# KiCad board dilemma.kicad_pcb
title: dilemma; rev: 2; company: bastardkb
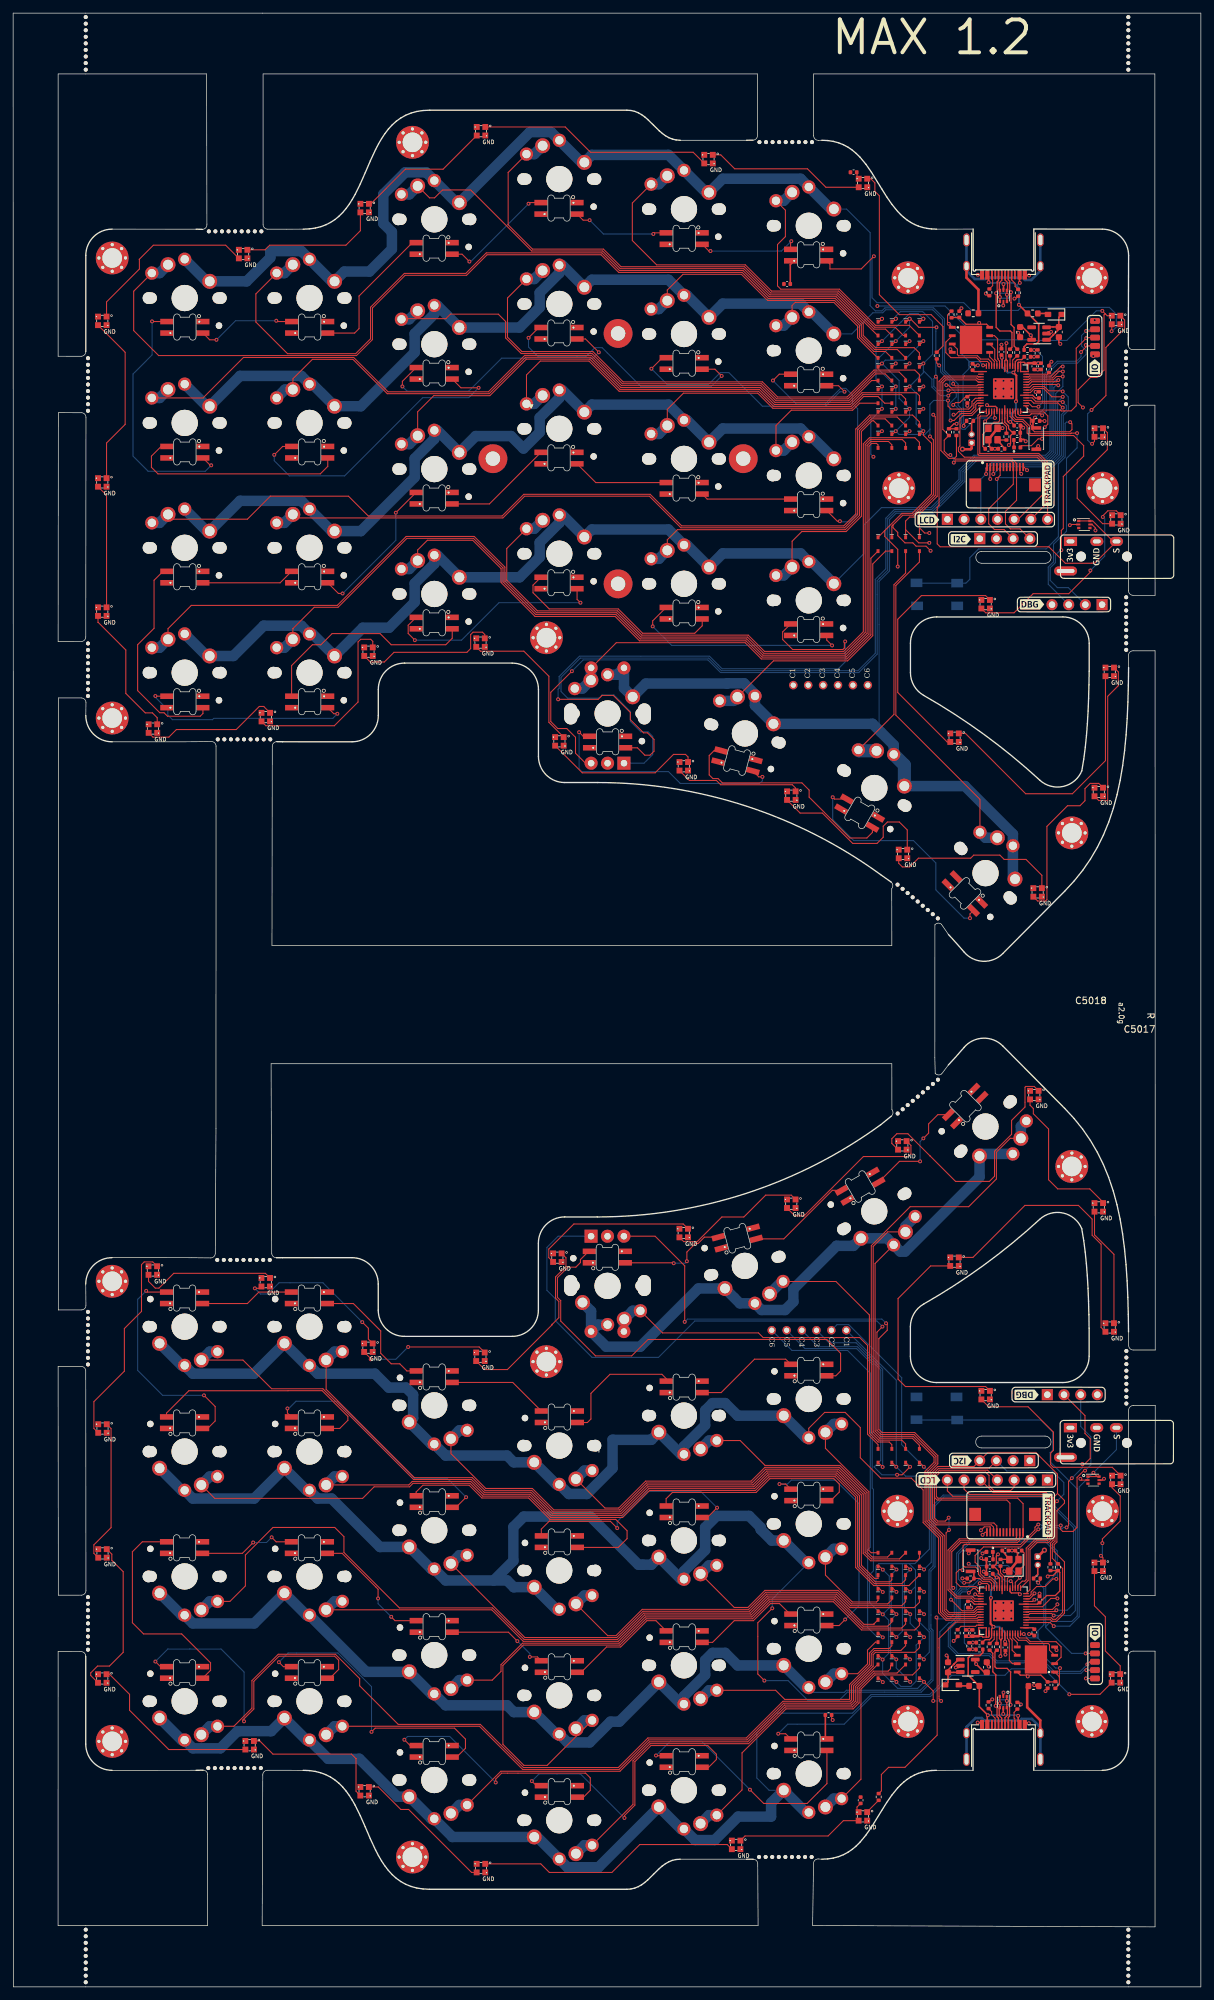
[diagram p0: board, top side]
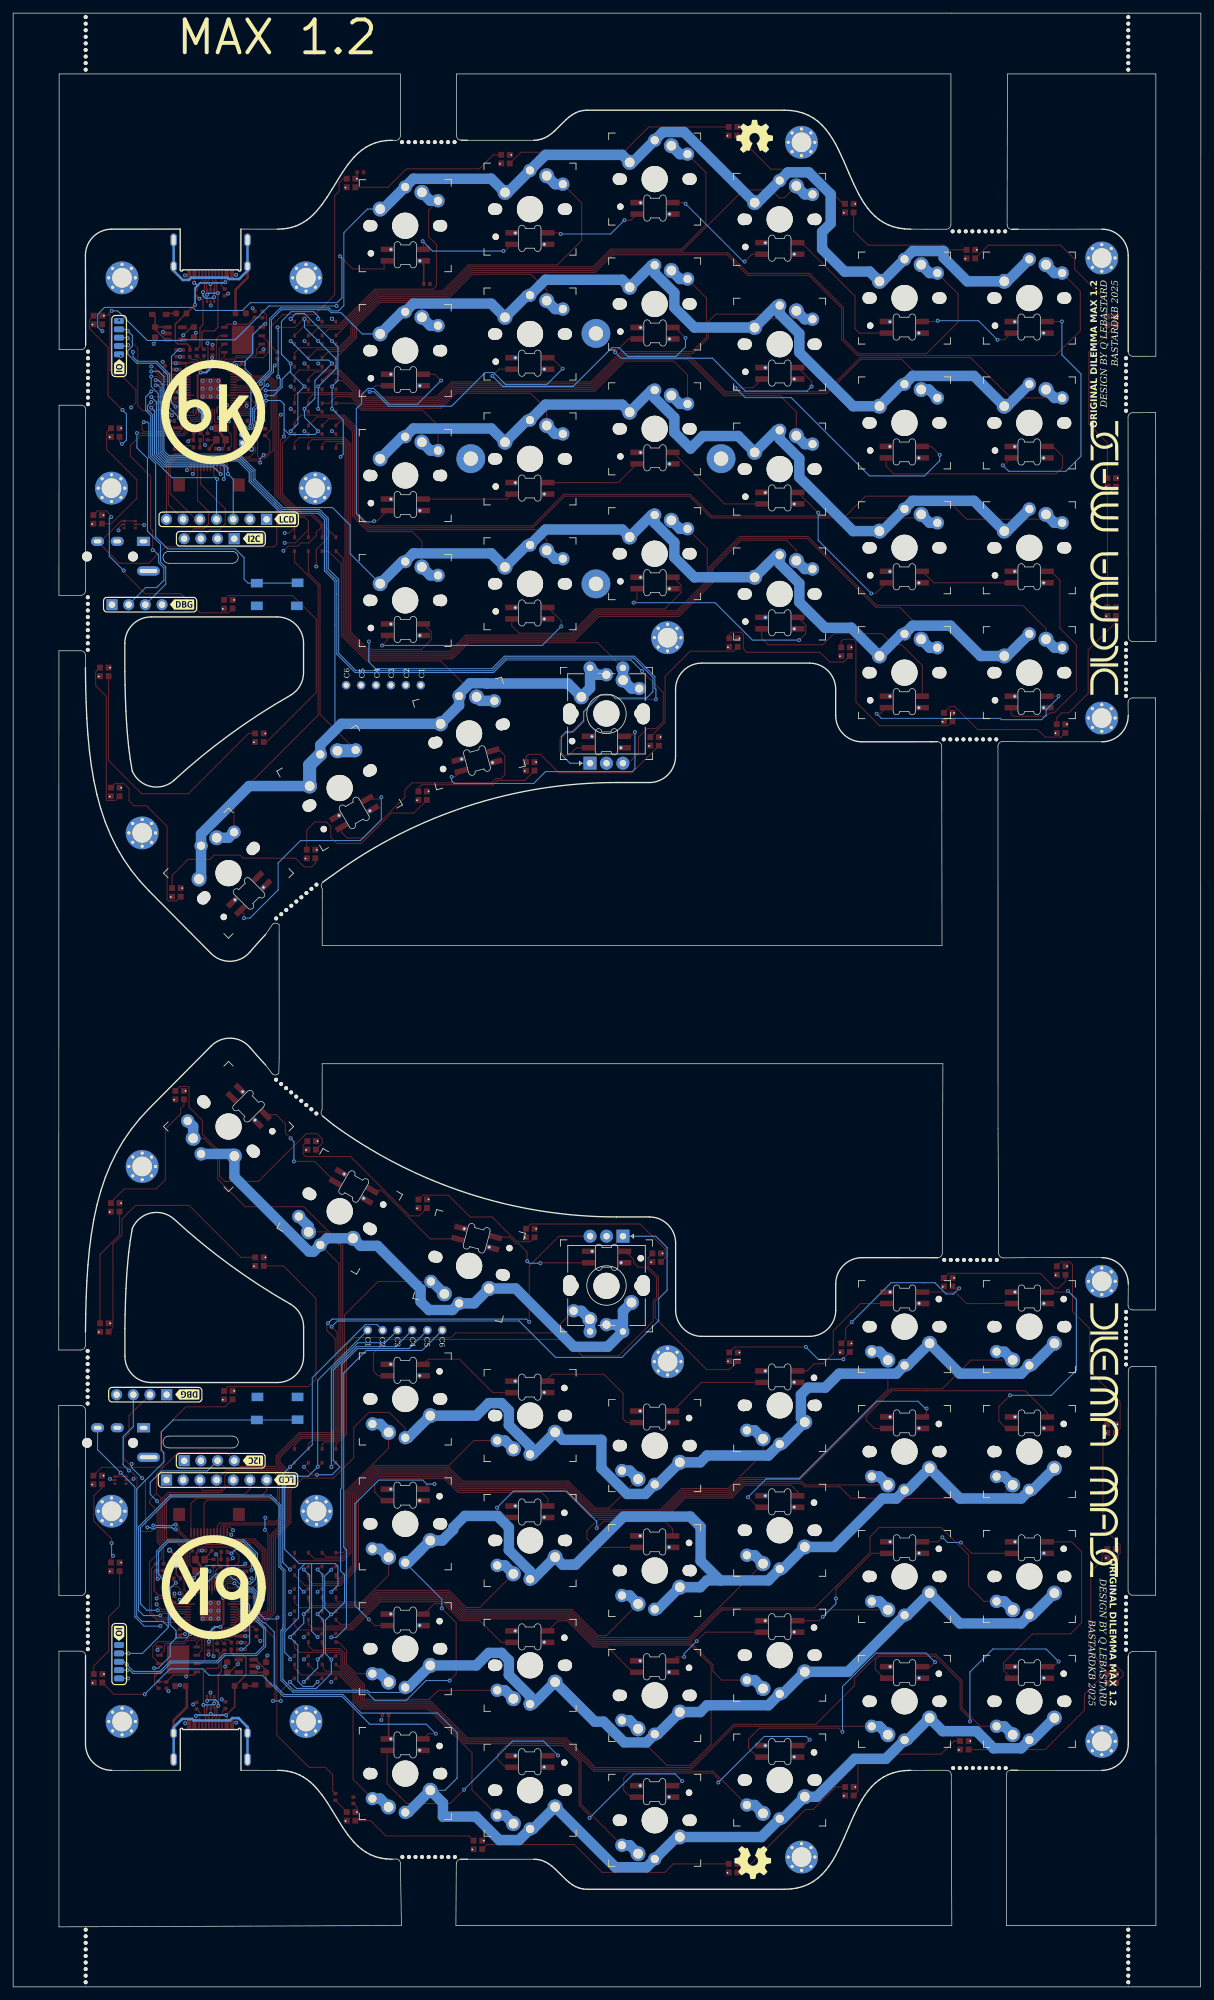
[diagram p1: board, bottom side, seen from below]

Outline 180.79 x 300.3 mm; copper layers: Top, In1.Cu, In2.Cu, Bottom. Coordinates in mm from the lower left corner of the outline.
Outline path: 11.05,50.31 arc(10.85,50.8) 10.35,51.01 6.85,51 6.84,9.33 29.61,9.33 29.61,32.27 arc(29.4,32.76) 28.91,32.97 27.85,32.95 15.05,32.95 arc(12.22,34.12) 11.05,36.95 11.05,50.31 ; 10.35,248.09 6.85,248.1 6.85,291.05 11.06,291.05 29.45,291.05 29.5,268.1 arc(29.29,267.61) 28.8,267.4 27.86,267.43 15.06,267.43 arc(12.23,266.26) 11.06,263.43 11.06,248.79 ; 10.36,204.69 6.85,204.7 6.88,239.51 10.39,239.51 arc(10.88,239.3) 11.09,238.81 11.06,205.39 arc(10.85,204.9) 10.36,204.69 ; 11.06,248.79 arc(10.85,248.3) 10.36,248.09 ; 11.08,103.69 11.05,106.95 arc(12.22,109.77) 15.05,110.95 27.22,110.94 30.07,110.91 arc(30.56,111.11) 30.77,111.61 30.87,130.56 30.88,188.78 arc(30.68,189.27) 30.18,189.48 27.23,189.44 15.06,189.43 arc(12.23,190.61) 11.06,193.43 11.09,195.41 arc(10.88,195.9) 10.39,196.11 6.88,196.11 6.88,102.99 10.38,102.99 arc(10.88,103.2) 11.08,103.69 ; 11.08,60.3 11.05,93.71 arc(10.85,94.2) 10.35,94.41 6.85,94.4 6.88,59.59 10.38,59.59 arc(10.88,59.8) 11.08,60.29 ; 169.74,249.79 169.79,263.43 arc(168.62,266.26) 165.79,267.43 155.36,267.45 155.36,261.25 arc(155.16,261.05) 154.96,261.25 146.52,261.25 arc(146.32,261.05) 146.12,261.25 146.12,267.45 140.55,267.43 139.8,267.46 139.09,267.55 138.42,267.7 137.78,267.9 137.18,268.16 136.61,268.46 136.08,268.82 135.57,269.22 135.09,269.66 134.63,270.14 133.77,271.19 132.98,272.34 132.22,273.55 130.65,276.09 129.82,277.29 128.92,278.37 128.35,278.94 127.74,279.45 127.09,279.9 126.4,280.27 125.66,280.57 124.86,280.78 124.01,280.92 123.1,280.96 122.55,280.95 arc(122.06,281.16) 121.85,281.65 121.85,291.05 173.79,291.05 173.79,249.09 170.44,249.09 arc(169.95,249.3) 169.74,249.79 ; 169.78,212.42 169.74,239.95 arc(169.95,240.44) 170.44,240.65 ; 169.78,202.58 169.79,200.73 169.75,198.07 169.69,195.48 169.57,192.96 169.41,190.51 169.19,188.13 168.89,185.81 168.51,183.57 168.03,181.39 167.46,179.28 166.77,177.23 165.96,175.26 165.04,173.38 163.99,171.6 162.81,169.89 161.51,168.27 160.07,166.72 150.64,157.22 arc(147.65,156.04) 144.76,157.44 arc(143.58,158.79) 142.37,160.11 141.29,161.68 arc(140.78,161.84) 140.31,161.6 140.3,141.37 140.35,139 arc(140.83,138.75) 141.34,138.91 142.36,140.27 arc(143.57,141.59) 144.75,142.94 arc(147.64,144.34) 150.63,143.16 160.06,133.66 161.5,132.11 162.8,130.49 163.98,128.78 165.03,127 165.95,125.12 166.76,123.15 167.45,121.1 168.02,118.99 168.5,116.81 168.88,114.57 169.18,112.25 169.4,109.87 169.56,107.42 169.68,104.9 169.74,102.31 169.78,99.65 169.8,97.59 arc(170.01,97.1) 170.5,96.89 ; 169.78,202.58 arc(169.98,203.07) 170.47,203.28 173.82,203.28 173.85,96.9 170.5,96.89 ; 170.45,240.65 173.8,240.65 173.82,211.72 170.47,211.72 arc(169.98,211.93) 169.78,212.42 ; 170.47,59.52 arc(169.97,59.73) 169.77,60.22 169.8,87.75 arc(170.01,88.24) 170.5,88.45 173.85,88.45 173.82,59.53 170.48,59.52 ; 0.05,0 0,300.3 180.79,300.3 180.79,0 0.05,0 ; 37.91,9.33 38,32.26 arc(38.2,32.75) 38.7,32.96 44.15,32.95 45.1,32.9 45.99,32.78 46.82,32.57 47.59,32.28 48.31,31.92 48.97,31.49 49.58,30.98 50.15,30.42 50.68,29.8 51.16,29.12 51.62,28.41 52.05,27.65 52.84,26.05 53.58,24.38 54.35,22.57 55.17,20.81 55.61,19.97 56.07,19.17 56.57,18.42 57.11,17.72 57.69,17.08 58.33,16.51 59.01,16.02 59.76,15.6 60.57,15.28 61.45,15.04 62.39,14.89 63.41,14.85 93.42,14.85 94.04,14.89 94.61,15.02 95.15,15.24 95.66,15.53 96.14,15.87 96.6,16.27 98.36,18 98.81,18.39 99.29,18.74 99.8,19.03 100.34,19.24 100.92,19.38 101.53,19.42 111.64,19.42 112.64,19.42 arc(113.13,19.21) 113.34,18.72 113.4,9.33 37.91,9.33 ; 38.05,268.13 38.05,291.05 113.3,291.05 113.3,281.68 arc(113.09,281.18) 112.6,280.97 111.65,280.96 101.54,280.96 100.93,281 100.35,281.14 99.81,281.35 99.3,281.64 98.82,281.99 98.37,282.38 96.61,284.11 96.15,284.51 95.67,284.85 95.16,285.14 94.62,285.36 94.05,285.49 93.43,285.53 63.42,285.53 62.4,285.49 61.46,285.34 60.58,285.1 59.77,284.78 59.02,284.36 58.34,283.87 57.7,283.3 57.12,282.66 56.58,281.96 56.08,281.21 55.62,280.41 55.18,279.57 54.36,277.81 53.59,276 52.85,274.33 52.06,272.73 51.63,271.97 51.17,271.26 50.69,270.58 50.16,269.96 49.59,269.4 48.98,268.89 48.32,268.46 47.6,268.1 46.83,267.81 46,267.6 45.11,267.48 44.16,267.43 41.66,267.43 38.75,267.43 arc(38.25,267.63) 38.05,268.13 ; 39.26,140.45 39.36,111.64 arc(39.56,111.14) 40.06,110.94 41.02,110.94 51.58,110.95 arc(54.4,109.77) 55.58,106.95 55.58,102.97 arc(56.75,100.14) 59.58,98.97 75.95,98.97 arc(78.78,100.14) 79.95,102.97 79.95,113.14 arc(81.12,115.97) 83.95,117.14 88.94,117.14 arc(111.6,120.73) 132.04,131.16 133.68,132.48 arc(133.92,132.96) 133.76,133.47 133.75,140.45 39.26,140.45 ; 39.4,158.45 133.75,158.45 133.74,167.1 arc(133.9,167.61) 133.65,168.09 132.05,169.22 arc(111.61,179.65) 88.95,183.24 83.96,183.24 arc(81.13,184.41) 79.96,187.24 79.96,197.41 arc(78.79,200.24) 75.96,201.41 59.59,201.41 arc(56.76,200.24) 55.59,197.41 55.59,193.43 arc(54.41,190.61) 51.59,189.43 41.03,189.44 40.14,189.46 arc(39.65,189.25) 39.44,188.76 39.4,158.45 ; 121.7,9.33 121.83,18.76 arc(122.03,19.26) 122.53,19.46 123.09,19.42 124,19.46 124.85,19.6 125.65,19.81 126.39,20.11 127.08,20.48 127.73,20.93 128.34,21.44 128.91,22.01 129.81,23.09 130.64,24.29 132.21,26.83 132.97,28.04 133.76,29.19 134.62,30.24 135.08,30.72 135.56,31.16 136.07,31.56 136.6,31.92 137.17,32.22 137.77,32.48 138.41,32.68 139.08,32.83 139.79,32.92 140.54,32.95 146.11,32.95 146.11,39.15 arc(146.31,39.35) 146.51,39.15 154.95,39.15 arc(155.15,39.35) 155.35,39.15 155.35,32.95 165.78,32.95 arc(168.61,34.12) 169.78,36.95 169.77,50.38 arc(169.97,50.88) 170.47,51.08 173.81,51.08 173.81,9.13 121.7,9.33 ; 136.58,100.41 arc(137.12,102.42) 138.59,103.89 arc(147.79,109.84) 156.26,116.78 arc(159.83,117.74) 162.66,115.36 162.96,113.57 163.19,111.79 163.37,110.02 163.51,108.19 163.61,106.28 163.69,104.32 163.75,102.29 163.78,100.2 163.78,95.95 arc(162.61,93.12) 159.78,91.95 140.58,91.95 arc(137.75,93.12) 136.58,95.95 136.58,100.41 ; 136.59,204.43 arc(137.76,207.26) 140.59,208.43 159.79,208.43 arc(162.62,207.26) 163.79,204.43 163.79,200.18 163.76,198.09 163.7,196.06 163.62,194.1 163.52,192.19 163.38,190.36 163.2,188.59 162.97,186.81 162.67,185.02 arc(159.84,182.64) 156.27,183.6 arc(147.8,190.54) 138.6,196.49 arc(137.13,197.96) 136.59,199.97 136.59,204.43 ; 147.42,82 arc(146.52,82.9) 147.42,83.8 157.08,83.8 arc(157.98,82.9) 157.08,82 147.42,82 ; 147.44,218.4 157.09,218.4 arc(157.99,217.5) 157.09,216.6 147.44,216.6 arc(146.54,217.5) 147.44,218.4
Stack: Top 0.035mm / dielectric 1.11mm FR4 er 4.5 / In1.Cu 0.035mm / dielectric 1.51mm FR4 er 4.5 / In2.Cu 0.035mm / dielectric 1.51mm FR4 er 4.5 / Bottom 0.035mm

## Placement (name value [footprint] x y rotation side)
C1  1µ  [C_0603_1608Metric]  159.18 251.78 270 top
C2  1µ  [C_0603_1608Metric]  153.28 251.77 270 top
C3  15p  [C_0402_1005Metric]  148.44 234.01 0 top
C4  15p  [C_0402_1005Metric]  150.44 234.01 180 top
C5  1µ  [C_0402_1005Metric]  156.44 246.56 270 top
C6  1µ  [C_0402_1005Metric]  154.39 248.01 0 top
C7  100n  [C_0402_1005Metric]  150.44 248.76 90 top
C8  100n  [C_0402_1005Metric]  152.84 237.55 0 top
C9  100n  [C_0402_1005Metric]  145.24 241.46 270 top
C10  100n  [C_0402_1005Metric]  144.02 254.48 90 top
C11  100n  [C_0402_1005Metric]  155.44 246.56 270 top
C12  100n  [C_0402_1005Metric]  146.04 246.46 90 top
C13  100n  [C_0402_1005Metric]  156.14 242.21 90 top
C14  100n  [C_0402_1005Metric]  152.82 236.44 0 top
C5001  1µ  [C_0603_1608Metric]  142.3 48.62 90 top
C5002  1µ  [C_0603_1608Metric]  148.2 48.63 90 top
C5003  1µ  [C_0402_1005Metric]  145.04 53.83 90 top
C5004  1µ  [C_0402_1005Metric]  147.09 52.38 180 top
C5005  15p  [C_0402_1005Metric]  153.04 66.38 180 top
C5006  100n  [C_0402_1005Metric]  151.04 51.63 270 top
C5007  100n  [C_0402_1005Metric]  148.64 62.84 180 top
C5008  15p  [C_0402_1005Metric]  151.04 66.38 0 top
C5009  100n  [C_0402_1005Metric]  156.24 58.93 90 top
C5010  100n  [C_0402_1005Metric]  157.46 45.92 270 top
C5011  100n  [C_0402_1005Metric]  146.04 53.83 90 top
C5012  100n  [C_0402_1005Metric]  155.44 53.93 270 top
C5013  100n  [C_0402_1005Metric]  145.34 58.18 270 top
C5014  100n  [C_0402_1005Metric]  148.66 63.96 180 top
C5015  1µ  [C_0402_1005Metric]  127.93 276.09 180 top
C5016  1µ  [C_0402_1005Metric]  129 28.39 90 top
C5017  1µ  [C_0402_1005Metric]  117.81 259.09 180 top
C5018  1µ  [C_0402_1005Metric]  124.11 41.36 0 top
D1  LED  [LED_0402_1005Metric]  152.84 234.22 0 top
D2  B5817  [D_SOD-323#2]  158.57 254.46 180 top
D3  SK6805-EC15  [LED_SK6805-EC15_1.5x1.5mm_P0.6mm_handsolder]  129.36 274.46 180 top
D4  SK6805-EC15  [LED_SK6805-EC15_1.5x1.5mm_P0.6mm_handsolder]  71.14 204.53 180 top
D7  SK6805-EC15  [LED_SK6805-EC15_1.5x1.5mm_P0.6mm_handsolder]  105.85 278.09 180 top
D8  SK6805-EC15  [LED_SK6805-EC15_1.5x1.5mm_P0.6mm_handsolder]  83.15 189.5 180 top
D9  SK6805-EC15  [LED_SK6805-EC15_1.5x1.5mm_P0.6mm_handsolder]  118.45 181.25 180 top
D11  SK6805-EC15  [LED_SK6805-EC15_1.5x1.5mm_P0.6mm_handsolder]  71.22 282.33 180 top
D12  SK6805-EC15  [LED_SK6805-EC15_1.5x1.5mm_P0.6mm_handsolder]  102.08 185.71 180 top
D15  SK6805-EC15  [LED_SK6805-EC15_1.5x1.5mm_P0.6mm_handsolder]  53.51 270.64 180 top
D16  SK6805-EC15  [LED_SK6805-EC15_1.5x1.5mm_P0.6mm_handsolder]  135.45 172.37 180 top
D18  SK6805-EC15  [LED_SK6805-EC15_1.5x1.5mm_P0.6mm_handsolder]  13.57 253.48 180 top
D19  SK6805-EC15  [LED_SK6805-EC15_1.5x1.5mm_P0.6mm_handsolder]  155.94 166.52 180 top
D21  SK6805-EC15  [LED_SK6805-EC15_1.5x1.5mm_P0.6mm_handsolder]  13.57 209.24 180 top
D22  SK6805-EC15  [LED_SK6805-EC15_1.5x1.5mm_P0.6mm_handsolder]  165.25 181.8 180 top
D24  SK6805-EC15  [LED_SK6805-EC15_1.5x1.5mm_P0.6mm_handsolder]  21.28 191.45 180 top
D25  SK6805-EC15  [LED_SK6805-EC15_1.5x1.5mm_P0.6mm_handsolder]  167.93 223.27 180 top
D27  SK6805-EC15  [LED_SK6805-EC15_1.5x1.5mm_P0.6mm_handsolder]  54.09 203.15 180 top
D28  SK6805-EC15  [LED_SK6805-EC15_1.5x1.5mm_P0.6mm_handsolder]  165.25 236.49 180 top
D112  D_matrix  [D_SOD-323]  133.75 238.6 270 top
D115  D_matrix  [D_SOD-323]  131.65 238.6 270 top
D5001  LED  [LED_0402_1005Metric]  148.64 66.18 180 top
D5002  D_matrix  [D_SOD-323]  133.75 54.8 90 top
D5003  D_matrix  [D_SOD-323]  131.65 61.6 90 top
D5004  B5817  [D_SOD-323#2]  142.91 45.94 0 top
D5005  D_matrix  [D_SOD-323]  135.85 54.8 90 top
D5006  D_matrix  [D_SOD-323]  137.95 65 90 top
D5007  D_matrix  [D_SOD-323]  137.95 54.8 90 top
D5008  D_matrix  [D_SOD-323]  135.85 65 90 top
D5009  D_matrix  [D_SOD-323]  133.75 65 90 top
D5010  D_matrix  [D_SOD-323]  133.75 51.4 90 top
D5011  D_matrix  [D_SOD-323]  131.65 65 90 top
D5012  D_matrix  [D_SOD-323]  131.65 51.4 90 top
D5013  SK6805-EC15  [LED_SK6805-EC15_1.5x1.5mm_P0.6mm_handsolder]  129.35 25.94 180 top
D5014  SK6805-EC15  [LED_SK6805-EC15_1.5x1.5mm_P0.6mm_handsolder]  71.13 95.87 180 top
D5015  D_matrix  [D_SOD-323]  137.95 219.5 270 top
D5016  SK6805-EC15  [LED_SK6805-EC15_1.5x1.5mm_P0.6mm_handsolder]  110.05 21.6 180 top
D5017  SK6805-EC15  [LED_SK6805-EC15_1.5x1.5mm_P0.6mm_handsolder]  82.84 110.95 180 top
D5018  SK6805-EC15  [LED_SK6805-EC15_1.5x1.5mm_P0.6mm_handsolder]  71.21 18.07 180 top
D5019  SK6805-EC15  [LED_SK6805-EC15_1.5x1.5mm_P0.6mm_handsolder]  102.07 114.69 180 top
D5020  SK6805-EC15  [LED_SK6805-EC15_1.5x1.5mm_P0.6mm_handsolder]  53.5 29.76 180 top
D5021  SK6805-EC15  [LED_SK6805-EC15_1.5x1.5mm_P0.6mm_handsolder]  118.44 119.15 180 top
D5022  SK6805-EC15  [LED_SK6805-EC15_1.5x1.5mm_P0.6mm_handsolder]  13.57 46.92 180 top
D5023  SK6805-EC15  [LED_SK6805-EC15_1.5x1.5mm_P0.6mm_handsolder]  135.35 128.03 180 top
D5024  SK6805-EC15  [LED_SK6805-EC15_1.5x1.5mm_P0.6mm_handsolder]  21.26 108.99 180 top
D5025  SK6805-EC15  [LED_SK6805-EC15_1.5x1.5mm_P0.6mm_handsolder]  155.44 135.68 180 top
D5026  SK6805-EC15  [LED_SK6805-EC15_1.5x1.5mm_P0.6mm_handsolder]  38.45 107.21 180 top
D5027  SK6805-EC15  [LED_SK6805-EC15_1.5x1.5mm_P0.6mm_handsolder]  165.25 118.6 180 top
D5028  SK6805-EC15  [LED_SK6805-EC15_1.5x1.5mm_P0.6mm_handsolder]  54.08 97.25 180 top
D5029  SK6805-EC15  [LED_SK6805-EC15_1.5x1.5mm_P0.6mm_handsolder]  167.92 77.13 180 top
D5030  SK6805-EC15  [LED_SK6805-EC15_1.5x1.5mm_P0.6mm_handsolder]  165.24 63.91 180 top
D5031  SK6812MINI  [SK6812_mini_e_corners]  121.09 244.39 180 top
D5032  SK6812MINI  [SK6812_mini_e_corners]  102.14 227.9 180 top
D5033  SK6812MINI  [SK6812_mini_e_corners]  128.8 178.5 150 top
D5034  SK6812MINI  [SK6812_mini_e_corners]  102.14 246.9 180 top
D5035  SK6812MINI  [SK6812_mini_e_corners]  121.09 225.39 180 top
D5036  SK6812MINI  [SK6812_mini_e_corners]  83.09 251.5 180 top
D5037  SK6812MINI  [SK6812_mini_e_corners]  121.09 206.39 180 top
D5038  SK6812MINI  [SK6812_mini_e_corners]  64.09 245.4 180 top
D5039  SK6812MINI  [SK6812_mini_e_corners]  102.14 208.9 180 top
D5040  SK6812MINI  [SK6812_mini_e_corners]  45.14 233.4 180 top
D5041  SK6812MINI  [SK6812_mini_e_corners]  83.09 213.5 180 top
D5042  SK6812MINI  [SK6812_mini_e_corners]  45.14 214.4 180 top
D5043  SK6812MINI  [SK6812_mini_e_corners]  64.09 207.4 180 top
D5044  SK6812MINI  [SK6812_mini_e_corners]  64.09 226.4 180 top
D5045  SK6812MINI  [SK6812_mini_e_corners]  45.14 195.4 180 top
D5046  SK6812MINI  [SK6812_mini_e_corners]  83.09 232.5 180 top
D5047  SK6812MINI  [SK6812_mini_e_corners]  90.49 189.3 180 top
D5048  SK6812MINI  [SK6812_mini_e_corners]  110.15 186.45 165 top
D5049  SK6812MINI  [SK6812_mini_e_corners]  121.12 55.95 0 top
D5050  SK6812MINI  [SK6812_mini_e_corners]  102.14 72.39 0 top
D5051  SK6812MINI  [SK6812_mini_e_corners]  128.87 121.9 30 top
D5052  SK6812MINI  [SK6812_mini_e_corners]  102.14 53.39 0 top
D5053  SK6812MINI  [SK6812_mini_e_corners]  121.12 74.95 0 top
D5054  SK6812MINI  [SK6812_mini_e_corners]  83.14 48.84 0 top
D5055  SK6812MINI  [SK6812_mini_e_corners]  121.12 93.95 0 top
D5056  SK6812MINI  [SK6812_mini_e_corners]  64.09 54.94 0 top
D5057  SK6812MINI  [SK6812_mini_e_corners]  102.14 91.39 0 top
D5058  SK6812MINI  [SK6812_mini_e_corners]  45.09 66.94 0 top
D5059  SK6812MINI  [SK6812_mini_e_corners]  83.14 86.84 0 top
D5060  SK6812MINI  [SK6812_mini_e_corners]  45.09 85.94 0 top
D5061  SK6812MINI  [SK6812_mini_e_corners]  64.09 92.94 0 top
D5062  SK6812MINI  [SK6812_mini_e_corners]  64.09 73.94 0 top
D5063  SK6812MINI  [SK6812_mini_e_corners]  45.09 104.94 0 top
D5064  SK6812MINI  [SK6812_mini_e_corners]  83.14 67.84 0 top
D5065  SK6812MINI  [SK6812_mini_e_corners]  90.44 111.14 0 top
D5066  SK6812MINI  [SK6812_mini_e_corners]  110.19 114.03 15 top
D5067  D_matrix  [D_SOD-323]  131.65 245.45 270 top
D5068  D_matrix  [D_SOD-323]  135.85 238.6 270 top
D5069  D_matrix  [D_SOD-323]  133.75 235.2 270 top
D5070  D_matrix  [D_SOD-323]  133.75 219.5 270 top
D5071  D_matrix  [D_SOD-323]  135.85 245.45 270 top
D5072  D_matrix  [D_SOD-323]  137.95 242 270 top
D5073  D_matrix  [D_SOD-323]  131.65 235.2 270 top
D5074  D_matrix  [D_SOD-323]  135.85 219.5 270 top
D5075  D_matrix  [D_SOD-323]  137.95 245.45 270 top
D5076  D_matrix  [D_SOD-323]  135.85 242 270 top
D5077  D_matrix  [D_SOD-323]  133.75 248.9 270 top
D5078  D_matrix  [D_SOD-323]  133.75 242 270 top
D5079  D_matrix  [D_SOD-323]  131.65 248.9 270 top
D5080  D_matrix  [D_SOD-323]  131.65 242 270 top
D5081  D_matrix  [D_SOD-323]  137.95 235.2 270 top
D5082  D_matrix  [D_SOD-323]  131.65 219.5 270 top
D5083  D_matrix  [D_SOD-323]  135.85 61.6 90 top
D5084  D_matrix  [D_SOD-323]  133.75 80.8 90 top
D5085  D_matrix  [D_SOD-323]  137.95 80.8 90 top
D5086  D_matrix  [D_SOD-323]  137.95 58.2 90 top
D5087  D_matrix  [D_SOD-323]  135.85 58.2 90 top
D5088  D_matrix  [D_SOD-323]  131.65 80.8 90 top
D5089  D_matrix  [D_SOD-323]  133.75 58.2 90 top
D5090  D_matrix  [D_SOD-323]  131.65 58.2 90 top
D5091  D_matrix  [D_SOD-323]  137.95 248.9 270 top
D5092  D_matrix  [D_SOD-323]  131.65 252.3 270 top
D5093  D_matrix  [D_SOD-323]  133.75 252.3 270 top
D5094  D_matrix  [D_SOD-323]  135.85 252.3 270 top
D5095  D_matrix  [D_SOD-323]  137.95 252.3 270 top
D5096  D_matrix  [D_SOD-323]  135.85 235.2 270 top
D5097  D_matrix  [D_SOD-323]  135.85 248.9 270 top
D5098  D_matrix  [D_SOD-323]  133.75 245.45 270 top
D5099  D_matrix  [D_SOD-323]  137.95 238.6 270 top
D5100  D_matrix  [D_SOD-323]  133.75 61.6 90 top
D5101  D_matrix  [D_SOD-323]  131.65 54.8 90 top
D5102  D_matrix  [D_SOD-323]  137.95 61.6 90 top
D5103  D_matrix  [D_SOD-323]  137.95 51.4 90 top
D5104  D_matrix  [D_SOD-323]  131.65 48 90 top
D5105  D_matrix  [D_SOD-323]  133.75 48 90 top
D5106  D_matrix  [D_SOD-323]  135.85 48 90 top
D5107  D_matrix  [D_SOD-323]  137.95 48 90 top
D5108  D_matrix  [D_SOD-323]  135.85 51.4 90 top
D5109  SK6805-EC15  [LED_SK6805-EC15_1.5x1.5mm_P0.6mm_handsolder]  167.88 253.62 180 top
D5110  SK6805-EC15  [LED_SK6805-EC15_1.5x1.5mm_P0.6mm_handsolder]  35.01 263.64 180 top
D5111  SK6805-EC15  [LED_SK6805-EC15_1.5x1.5mm_P0.6mm_handsolder]  13.57 228.9 180 top
D5112  SK6805-EC15  [LED_SK6805-EC15_1.5x1.5mm_P0.6mm_handsolder]  38.46 193.19 180 top
D5113  SK6805-EC15  [LED_SK6805-EC15_1.5x1.5mm_P0.6mm_handsolder]  167.86 46.94 180 top
D5114  SK6805-EC15  [LED_SK6805-EC15_1.5x1.5mm_P0.6mm_handsolder]  36 36.76 180 top
D5115  SK6805-EC15  [LED_SK6805-EC15_1.5x1.5mm_P0.6mm_handsolder]  13.6 65.95 180 top
D5116  SK6805-EC15  [LED_SK6805-EC15_1.5x1.5mm_P0.6mm_handsolder]  13.6 84.95 180 top
D5117  SK6812MINI  [SK6812_mini_e_corners]  121.09 263.39 180 top
D5118  SK6812MINI  [SK6812_mini_e_corners]  26.14 252.4 180 top
D5119  SK6812MINI  [SK6812_mini_e_corners]  45.14 252.4 180 top
D5120  SK6812MINI  [SK6812_mini_e_corners]  64.09 264.4 180 top
D5121  SK6812MINI  [SK6812_mini_e_corners]  83.09 270.5 180 top
D5122  SK6812MINI  [SK6812_mini_e_corners]  102.14 265.9 180 top
D5123  SK6812MINI  [SK6812_mini_e_corners]  26.14 233.4 180 top
D5124  SK6812MINI  [SK6812_mini_e_corners]  26.14 214.4 180 top
D5125  SK6812MINI  [SK6812_mini_e_corners]  26.14 195.4 180 top
D5126  D_matrix  [D_SOD-323]  135.85 80.8 90 top
D5127  SK6812MINI  [SK6812_mini_e_corners]  144.79 166.27 135 top
D5128  SK6812MINI  [SK6812_mini_e_corners]  121.12 36.95 0 top
D5129  SK6812MINI  [SK6812_mini_e_corners]  102.14 34.39 0 top
D5130  SK6812MINI  [SK6812_mini_e_corners]  83.14 29.84 0 top
D5131  SK6812MINI  [SK6812_mini_e_corners]  64.09 35.94 0 top
D5132  SK6812MINI  [SK6812_mini_e_corners]  45.09 47.94 0 top
D5133  SK6812MINI  [SK6812_mini_e_corners]  26.09 47.94 0 top
D5134  SK6812MINI  [SK6812_mini_e_corners]  26.09 66.94 0 top
D5135  SK6812MINI  [SK6812_mini_e_corners]  26.09 85.94 0 top
D5136  SK6812MINI  [SK6812_mini_e_corners]  26.09 104.94 0 top
D5137  SK6812MINI  [SK6812_mini_e_corners]  144.86 134.1 45 top
D5138  SK6805-EC15  [LED_SK6805-EC15_1.5x1.5mm_P0.6mm_handsolder]  166.92 200.07 180 top
D5139  SK6805-EC15  [LED_SK6805-EC15_1.5x1.5mm_P0.6mm_handsolder]  143.3 190.06 180 top
D5140  SK6805-EC15  [LED_SK6805-EC15_1.5x1.5mm_P0.6mm_handsolder]  148.03 210.37 180 top
D5141  SK6805-EC15  [LED_SK6805-EC15_1.5x1.5mm_P0.6mm_handsolder]  166.91 100.32 180 top
D5142  SK6805-EC15  [LED_SK6805-EC15_1.5x1.5mm_P0.6mm_handsolder]  143.29 110.34 180 top
D5143  SK6805-EC15  [LED_SK6805-EC15_1.5x1.5mm_P0.6mm_handsolder]  148.03 90.03 180 top
F1  Polyfuse  [Fuse_0603_1608Metric]  155.19 254.61 0 top
F5001  Polyfuse  [Fuse_0603_1608Metric]  146.29 45.79 180 top
FB1  FerriteBead_Small  [L_0603_1608Metric]  146.15 254.63 0 top
FB5001  FerriteBead_Small  [L_0603_1608Metric]  155.33 45.77 180 top
G***  -  [LOGO]  159.95 210.32 0 top
G***#2  -  [LOGO]  157.05 66.1 0 top
G***#3  -  [LOGO]  156.95 234.3 0 top
G***#4  -  [LOGO]  159.12 90.08 90 top
G***#5  -  [LOGO]  159.94 210.3 180 bottom
G***#6  -  [LOGO]  89.03 240.51 180 bottom
G***#7  -  [LOGO]  151.18 61.35 0 bottom
G***#8  -  [LOGO]  149.42 239.05 180 bottom
G***#9  -  [LOGO]  89.05 60.03 180 bottom
G***#10  -  [LOGO]  159.15 90.1 180 bottom
H101  NA_M4  [MountingHole_3mm_Pad_Via]  60.79 280.65 0 top
H102  NA_M4  [MountingHole_3mm_Pad_Via]  161.15 175.57 0 top
H104  NA_M4  [MountingHole_3mm_Pad_Via]  81.18 205.27 0 top
H105  NA_M4  [MountingHole_3mm_Pad_Via]  164.22 260.03 0 top
H106  NA_M4  [MountingHole_3mm_Pad_Via]  134.82 228.03 0 top
H107  NA_M4  [MountingHole_3mm_Pad_Via]  165.82 228.03 0 top
H108  NA_M4  [MountingHole_3mm_Pad_Via]  136.22 260.03 0 top
H111  NA_Mount  [Tenting_Puck]  92.08 232.52 0 top
H5001  NA_M4  [MountingHole_3mm_Pad_Via]  60.78 19.75 0 bottom
H5002  NA_M4  [MountingHole_3mm_Pad_Via]  161.15 124.82 0 bottom
H5003  NA_M4  [MountingHole_3mm_Pad_Via]  81.17 95.13 0 bottom
H5004  NA_M4  [MountingHole_3mm_Pad_Via]  164.21 40.37 0 bottom
H5005  NA_M4  [MountingHole_3mm_Pad_Via]  134.61 72.37 180 top
H5006  NA_M4  [MountingHole_3mm_Pad_Via]  165.81 72.37 0 bottom
H5007  NA_M4  [MountingHole_3mm_Pad_Via]  136.21 40.37 0 bottom
H5009  NA_M4  [MountingHole_3mm_Pad_Via]  15.08 193.05 0 top
H5010  NA_M4  [MountingHole_3mm_Pad_Via]  15.08 263.05 0 top
H5011  NA_M4  [MountingHole_3mm_Pad_Via]  15.08 107.35 0 top
H5012  NA_M4  [MountingHole_3mm_Pad_Via]  15.08 37.35 0 top
H5013  NA_M4  [mousebite]  137.7 135.45 40 top  (not fitted)
H5014  NA_M4  [mousebite]  35.06 110.6 0 top  (not fitted)
H5015  NA_M4  [mousebite]  117.6 280.68 0 top  (not fitted)
H5016  NA_M4  [mousebite]  35.14 189.8 180 top  (not fitted)
H5017  NA_M4  [mousebite]  137.69 165.13 140 top  (not fitted)
H5018  NA_M4  [mousebite]  33.71 33.29 180 top  (not fitted)
H5019  NA_M4  [mousebite]  117.55 19.76 180 top  (not fitted)
H5020  NA_M4  [mousebite]  33.79 267.1 0 top  (not fitted)
H6001  NA_M4  [mousebite]  11.05 295.7 90 top  (not fitted)
H6002  NA_M4  [mousebite]  169.75 295.7 90 top  (not fitted)
H6003  NA_M4  [mousebite]  169.4 244.8 90 top  (not fitted)
H6004  NA_M4  [mousebite]  169.45 92.75 270 bottom  (not fitted)
H6005  NA_M4  [mousebite]  169.43 55.38 270 bottom  (not fitted)
H6006  NA_M4  [mousebite]  11.05 4.7 90 top  (not fitted)
H6007  NA_M4  [mousebite]  11.39 243.8 90 top  (not fitted)
H6008  NA_M4  [mousebite]  11.39 200.4 90 top  (not fitted)
H6009  NA_M4  [mousebite]  11.39 98.7 270 bottom  (not fitted)
H6010  NA_M4  [mousebite]  11.39 55.3 270 bottom  (not fitted)
H6011  NA_M4  [mousebite]  169.43 207.42 90 top  (not fitted)
H6012  NA_M4  [mousebite]  169.75 4.7 90 top  (not fitted)
J1  USB_C_Receptacle_USB2.0  [USB_C_Receptacle_HRO_TYPE-C-31-M-13B]  150.74 267.89 180 top
J3  NA_GC9A01  [PinHeader_1x07_P2.54mm_Vertical]  142.21 223.29 90 top
J4  Conn_01x05  [PinHeader_1x05_P1.27mm_Vertical_SMD]  164.69 253.47 0 top
J5  NA_Conn_01x02  [PinHeader_1x02_P1.27mm_Vertical]  145.89 234.93 180 top
J102  NA_serial  [Jack_3.5mm_PJ320E_Horizontal]  160.95 219.93 270 top
J105  NA_Conn_01x04_Female  [PinHeader_1x04_P2.54mm_Vertical_debug]  158.13 210.3 90 top
J113  Cirque  [FPC-SMD_FPC05012-09200-.5mm]  150.99 229.88 0 top
J5001  USB_C_Receptacle_USB2.0  [USB_C_Receptacle_HRO_TYPE-C-31-M-13B]  150.74 32.51 0 top
J5002  NA_Conn_01x02  [PinHeader_1x02_P1.27mm_Vertical]  155.97 65.45 0 top
J5003  NA_serial  [Jack_3.5mm_PJ320E_Horizontal]  160.94 85.07 270 top
J5004  NA_GC9A01  [PinHeader_1x07_P2.54mm_Vertical]  157.44 77.11 270 top
J5005  NA_Conn_01x04_Female  [PinHeader_1x04_P2.54mm_Vertical_debug]  165.04 90.1 90 bottom
J5006  Conn_01x01_Socket  [testpoint]  118.75 198.05 0 top  (not fitted)
J5007  Cirque  [FPC-SMD_FPC05012-09200-.5mm]  150.98 70.52 180 top
J5008  Conn_01x05  [PinHeader_1x05_P1.27mm_Vertical_SMD]  164.68 46.92 180 top
J5009  Conn_01x05  [PinHeader_1x05_P1.27mm_Vertical_SMD]  164.68 46.92 0 bottom
J5010  Conn_01x05  [PinHeader_1x05_P1.27mm_Vertical_SMD]  164.69 253.46 180 bottom
J5011  Conn_01x01_Socket  [testpoint]  121.02 198.05 0 top  (not fitted)
J5012  Conn_01x01_Socket  [testpoint]  123.29 198.05 0 top  (not fitted)
J5013  Conn_01x01_Socket  [testpoint]  125.56 198.05 0 top  (not fitted)
J5014  Conn_01x01_Socket  [testpoint]  127.83 198.05 0 top  (not fitted)
J5015  Conn_01x01_Socket  [testpoint]  130.1 198.05 0 top  (not fitted)
J5016  Conn_01x01_Socket  [testpoint]  126.82 99.9 0 top  (not fitted)
J5017  Conn_01x01_Socket  [testpoint]  124.55 99.9 0 top  (not fitted)
J5018  Conn_01x01_Socket  [testpoint]  122.28 99.9 0 top  (not fitted)
J5019  Conn_01x01_Socket  [testpoint]  120.05 99.9 0 top  (not fitted)
J5020  Conn_01x01_Socket  [testpoint]  117.74 99.9 0 top  (not fitted)
J5021  Conn_01x01_Socket  [testpoint]  115.47 99.9 0 top  (not fitted)
O101  NA_OLED  [PinHeader_1x04_P2.54mm_Vertical]  147.14 220.34 90 top
O5001  NA_OLED  [PinHeader_1x04_P2.54mm_Vertical]  154.75 80.06 270 top
R1  1k  [R_0402_1005Metric]  152.84 235.34 180 top
R2  10k  [R_0402_1005Metric]  155.74 238.26 0 top
R3  1k  [R_0402_1005Metric]  145.64 238.26 180 top
R4  5.1k  [R_0402_1005Metric]  152.98 257.75 270 top
R5  5.1k  [R_0402_1005Metric]  148.6 257.82 270 top
R6  27  [R_0402_1005Metric]  151.74 248.66 270 top
R7  27  [R_0402_1005Metric]  152.84 248.66 270 top
R8  1k  [R_0402_1005Metric]  151.19 235.86 90 top
R9  10k  [R_0402_1005Metric]  142.84 254.46 270 top
R10  5.1k  [R_0402_1005Metric]  154.39 249.06 180 top
R11  10k  [R_0402_1005Metric]  155.94 248.55 90 top
R101  5.1k  [R_0402_1005Metric_nolabel]  157.69 246.12 90 top
R103  4.7k  [R_0402_1005Metric_nolabel]  143.59 236.55 90 top
R104  4.7k  [R_0402_1005Metric_nolabel]  142.44 236.55 270 top
R5001  1k  [R_0402_1005Metric]  148.64 65.06 0 top
R5002  10k  [R_0402_1005Metric]  145.74 62.13 180 top
R5003  1k  [R_0402_1005Metric]  155.84 62.13 0 top
R5004  5.1k  [R_0402_1005Metric]  152.86 42.78 90 top
R5005  5.1k  [R_0402_1005Metric]  148.48 42.85 90 top
R5006  27  [R_0402_1005Metric]  149.74 51.73 90 top
R5007  27  [R_0402_1005Metric]  148.64 51.73 90 top
R5008  1k  [R_0402_1005Metric]  150.29 64.53 270 top
R5009  5.1k  [R_0402_1005Metric]  147.09 51.33 0 top
R5010  10k  [R_0402_1005Metric]  145.54 51.84 270 top
R5011  10k  [R_0402_1005Metric]  158.64 45.94 90 top
R5012  5.1k  [R_0402_1005Metric_nolabel]  143.77 53.83 270 top
R5013  4.7k  [R_0402_1005Metric_nolabel]  157.89 63.85 270 top
R5014  4.7k  [R_0402_1005Metric_nolabel]  159.04 63.85 90 top
R5015  330  [R_0402_1005Metric]  131.75 28.9 270 top
R5016  330  [R_0402_1005Metric]  140.59 248.2 90 top
SW1  SW_Push  [SW_SPST_CK_KXT3]  155.74 235.56 90 top
SW101  NA_SW_Push  [SW_MX_choc]  45.11 237.95 180 bottom
SW102  NA_SW_Push  [SW_MX_choc]  45.11 218.95 180 bottom
SW103  NA_SW_Push  [SW_MX_choc]  45.11 199.95 180 bottom
SW104  NA_SW_Push  [SW_MX_choc]  64.11 249.93 180 bottom
SW105  NA_SW_Push  [SW_MX_choc]  64.11 230.93 180 bottom
SW106  NA_SW_Push  [SW_MX_choc]  64.11 211.93 180 bottom
SW107  NA_SW_Push  [SW_MX_choc]  83.14 256.05 180 bottom
SW108  NA_SW_Push  [SW_MX_choc]  83.14 237.05 180 bottom
SW109  NA_SW_Push  [SW_MX_choc]  83.14 218.05 180 bottom
SW112  NA_SW_Push  [SW_MX_choc]  102.11 251.48 180 bottom
SW113  NA_SW_Push  [SW_MX_choc]  102.11 232.48 180 bottom
SW114  NA_SW_Push  [SW_MX_choc]  102.11 213.48 180 bottom
SW115  NA_SW_Push  [SW_MX_choc]  121.11 248.95 180 bottom
SW116  NA_SW_Push  [SW_MX_choc]  121.11 229.95 180 bottom
SW117  NA_SW_Push  [SW_MX_choc]  121.11 210.95 180 bottom
SW118  NA_SW_Push  [SW_MX_choc]  111.39 190.7 165 bottom
SW119  NA_SW_Push  [SW_MX_choc]  131.09 182.4 150 bottom
SW3001  NA_SW_Push  [SW_MX_choc]  90.49 193.74 180 bottom
SW3002  NA_RotaryEncoder_Switch  [RotaryEncoder_Alps_EC11E-Switch_Vertical_H20mm_roundholes]  92.98 186.18 90 bottom